# KiCad board SparkX_Soft_Power_Switch_panelized.kicad_pcb (continued)
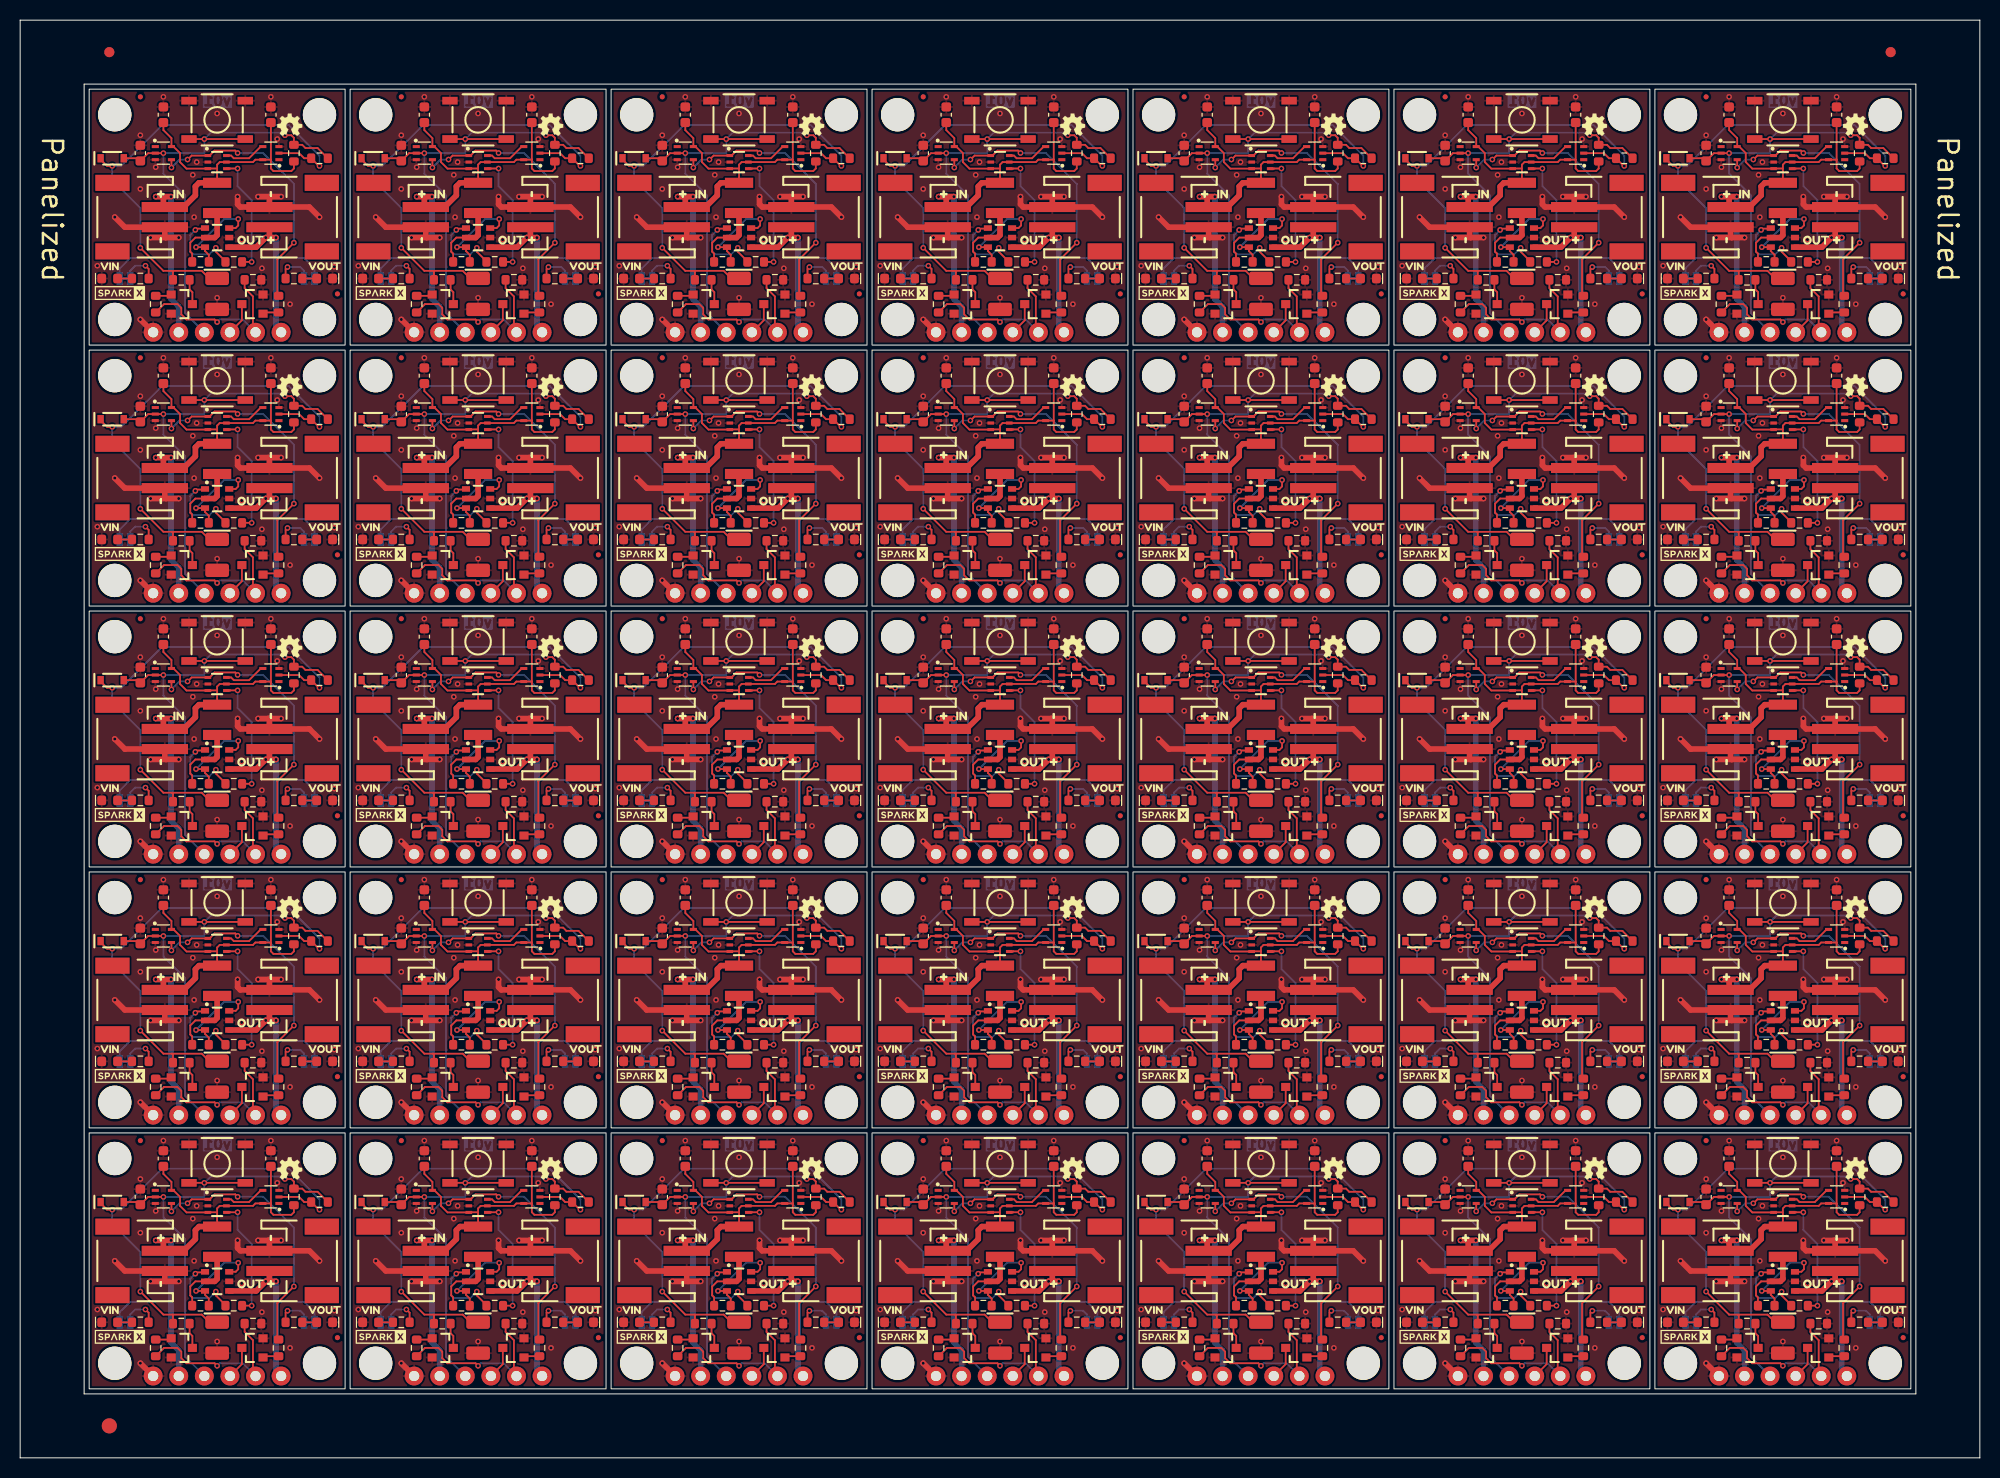
[diagram p0: board, top side]
## Routing (per net, layer and track width the routed paths; a pad name or vN(x,y) marks a point on that pad's centre or on a via; arc(x,y) is an arc through that point) (continued)
  Bottom w0.178: 51.29,119.09 54.09,119.09 55.11,118.06 JP2#22.2 ; JP2#23.2 81.01,92.16 79.99,93.19 77.19,93.19 ; JP2#32.2 184.61,66.26 183.59,67.29 180.79,67.29 ; JP2#19.2 132.81,118.06 131.79,119.09 128.99,119.09 ; JP2#31.2 184.61,40.36 183.59,41.39 180.79,41.39 ; 103.09,119.09 105.89,119.09 106.91,118.06 JP2#29.2 ; JP2.2 29.21,14.46 28.19,15.49 25.39,15.49 ; JP2#24.2 158.71,40.36 157.69,41.39 154.89,41.39 ; 77.19,67.29 79.99,67.29 81.01,66.26 JP2#15.2 ; 25.39,67.29 28.19,67.29 29.21,66.26 JP2#4.2 ; JP2#35.2 184.61,92.16 183.59,93.19 180.79,93.19 ; JP2#12.2 106.91,92.16 105.89,93.19 103.09,93.19 ; JP2#34.2 184.61,118.06 183.59,119.09 180.79,119.09 ; 180.79,15.49 183.59,15.49 184.61,14.46 JP2#30.2 ; 154.89,93.19 157.69,93.19 158.71,92.16 JP2#27.2 ; JP2#33.2 158.71,118.06 157.69,119.09 154.89,119.09 ; 128.99,15.49 131.79,15.49 132.81,14.46 JP2#8.2 ; 25.39,119.09 28.19,119.09 29.21,118.06 JP2#6.2 ; JP2#10.2 81.01,118.06 79.99,119.09 77.19,119.09 ; JP2#3.2 29.21,40.36 28.19,41.39 25.39,41.39 ; 154.89,67.29 157.69,67.29 158.71,66.26 JP2#26.2 ; 51.29,41.39 54.09,41.39 55.11,40.36 JP2#2.2 ; 51.29,67.29 54.09,67.29 55.11,66.26 JP2#13.2 ; 51.29,15.49 54.09,15.49 55.11,14.46 JP2#7.2 ; JP2#11.2 81.01,14.46 79.99,15.49 77.19,15.49 ; JP2#16.2 81.01,40.36 79.99,41.39 77.19,41.39 ; JP2#28.2 106.91,14.46 105.89,15.49 103.09,15.49 ; 103.09,41.39 105.89,41.39 106.91,40.36 JP2#18.2 ; JP2#21.2 55.11,92.16 54.09,93.19 51.29,93.19 ; JP2#25.2 132.81,40.36 131.79,41.39 128.99,41.39 ; 128.99,93.19 131.79,93.19 132.81,92.16 JP2#14.2 ; 103.09,67.29 105.89,67.29 106.91,66.26 JP2#9.2 ; 25.39,93.19 28.19,93.19 29.21,92.16 JP2#5.2 ; JP2#20.2 158.71,14.46 157.69,15.49 154.89,15.49 ; JP2#17.2 132.81,66.26 131.79,67.29 128.99,67.29
  Bottom w0.559: v1(76.18,69.32) v1(77.19,69.32) 77.19,60.43 J3#19.1 ; v1(179.78,121.12) v1(180.79,121.12) 180.79,112.23 J3#30.1 ; J3#2.1 25.39,60.43 v1(25.39,69.32) v1(24.38,69.32) ; J3#32.1 154.89,60.43 v1(154.89,69.32) v1(153.88,69.32) ; J3#26.1 180.79,60.43 v1(180.79,69.32) v1(179.78,69.32) ; J3#12.1 103.09,8.63 v1(103.09,17.52) v1(102.08,17.52) ; J3#34.1 154.89,112.23 v1(154.89,121.12) v1(153.88,121.12) ; J3#31.1 180.79,34.53 v1(180.79,43.42) v1(179.78,43.42) ; J3#22.1 77.19,86.33 v1(77.19,95.22) v1(76.18,95.22) ; v1(102.08,95.22) v1(103.09,95.22) 103.09,86.33 J3#13.1 ; J3#17.1 77.19,34.53 v1(77.19,43.42) v1(76.18,43.42) ; v1(24.38,121.12) v1(25.39,121.12) 25.39,112.23 J3#6.1 ; J3.1 25.39,34.53 v1(25.39,43.42) v1(24.38,43.42) ; v1(127.98,17.52) v1(128.99,17.52) 128.99,8.63 J3#14.1 ; J3#5.1 25.39,86.33 v1(25.39,95.22) v1(24.38,95.22) ; v1(50.28,43.42) v1(51.29,43.42) 51.29,34.53 J3#20.1 ; J3#35.1 25.39,8.63 v1(25.39,17.52) v1(24.38,17.52) ; J3#18.1 77.19,112.23 v1(77.19,121.12) v1(76.18,121.12) ; v1(102.08,121.12) v1(103.09,121.12) 103.09,112.23 J3#24.1 ; J3#4.1 154.89,8.63 v1(154.89,17.52) v1(153.88,17.52) ; v1(102.08,69.32) v1(103.09,69.32) 103.09,60.43 J3#8.1 ; v1(153.88,95.22) v1(154.89,95.22) 154.89,86.33 J3#28.1 ; J3#3.1 128.99,60.43 v1(128.99,69.32) v1(127.98,69.32) ; v1(153.88,43.42) v1(154.89,43.42) 154.89,34.53 J3#33.1 ; v1(127.98,95.22) v1(128.99,95.22) 128.99,86.33 J3#16.1 ; v1(50.28,95.22) v1(51.29,95.22) 51.29,86.33 J3#21.1 ; v1(127.98,43.42) v1(128.99,43.42) 128.99,34.53 J3#15.1 ; J3#23.1 103.09,34.53 v1(103.09,43.42) v1(102.08,43.42) ; v1(50.28,17.52) v1(51.29,17.52) 51.29,8.63 J3#10.1 ; J3#7.1 77.19,8.63 v1(77.19,17.52) v1(76.18,17.52) ; J3#11.1 51.29,60.43 v1(51.29,69.32) v1(50.28,69.32) ; J3#9.1 51.29,112.23 v1(51.29,121.12) v1(50.28,121.12) ; v1(179.78,95.22) v1(180.79,95.22) 180.79,86.33 J3#27.1 ; J3#29.1 180.79,8.63 v1(180.79,17.52) v1(179.78,17.52) ; v1(127.98,121.12) v1(128.99,121.12) 128.99,112.23 J3#25.1
Net-(C2-Pad1): length 1742.8
  Top w0.178: U3#4.2 183.08,51.8 183.59,51.29 R2#31.1 185.05,50.53 v1(185.11,50.53) ; 123.15,117 122.44,117 121.63,117.82 118.71,117.82 ; v1(81.51,102.33) 81.45,102.33 R2#21.1 79.99,103.09 79.48,103.6 U3#22.2 ; 123.15,91.11 122.44,91.11 121.63,91.92 118.71,91.92 ; v1(86.84,128.23) 86.32,128.23 85.69,128.87 D1#2.C ; v1(29.71,102.33) 29.65,102.33 28.88,103.09 28.19,103.09 27.68,103.6 U3#31.2 ; v1(159.21,102.33) 159.15,102.33 R2#28.1 157.69,103.09 157.18,103.6 U3#18.2 ; v1(9.14,24.63) 8.62,24.63 7.99,25.27 D1#35.C ; R5#34.1 144.67,65.95 144.6,66.02 ; 66.91,117.82 66.02,117.82 v1(63.73,120.1) 63.79,120.1 ; 66.91,117.82 69.83,117.82 70.64,117 71.35,117 ; 66.91,117.82 66.97,117.75 66.97,116.93 ; 66.91,14.22 66.97,14.15 66.97,13.33 ; 66.91,14.22 66.02,14.22 v1(63.73,16.5) 63.79,16.5 ; 66.91,14.22 69.83,14.22 70.64,13.41 71.35,13.41 ; v1(60.94,24.63) 60.42,24.63 59.79,25.27 D1#19.C ; v1(133.31,50.53) 133.25,50.53 R2#13.1 131.79,51.29 131.28,51.8 U3.2 ; 144.6,91.92 147.53,91.92 148.34,91.11 149.05,91.11 ; 144.6,91.92 143.72,91.92 v1(141.43,94.2) 141.49,94.2 ; 144.6,91.92 144.67,91.85 R5#30.1 ; R5#10.1 15.17,117.75 15.11,117.82 ; v1(9.14,50.53) 8.62,50.53 7.99,51.17 D1#5.C ; 41.07,13.33 41.07,14.15 41,14.22 ; 37.89,42.4 v1(37.83,42.4) 40.12,40.12 41,40.12 ; 123.15,39.31 122.44,39.31 121.63,40.12 118.71,40.12 ; v1(29.71,24.63) 29.65,24.63 28.88,25.39 28.19,25.39 27.68,25.9 U3#35.2 ; 123.15,13.41 122.44,13.41 121.63,14.22 118.71,14.22 ; v1(35.04,128.23) 34.52,128.23 33.89,128.87 D1#9.C ; U3#14.2 79.48,25.9 79.99,25.39 R2#17.1 81.45,24.63 v1(81.51,24.63) ; 15.11,66.02 14.22,66.02 v1(11.93,68.3) 11.99,68.3 ; 15.11,66.02 15.17,65.95 R5#9.1 ; 15.11,66.02 18.03,66.02 18.84,65.2 19.55,65.2 ; 144.6,14.22 144.67,14.15 R5#28.1 ; 144.6,14.22 143.72,14.22 v1(141.43,16.5) 141.49,16.5 ; 144.6,14.22 147.53,14.22 148.34,13.41 149.05,13.41 ; v1(112.74,102.33) 112.22,102.33 111.59,102.97 D1#4.C ; 89.69,16.5 v1(89.63,16.5) 91.92,14.22 92.81,14.22 ; U3#29.2 27.68,51.8 28.19,51.29 28.88,51.29 29.65,50.53 v1(29.71,50.53) ; 170.51,117.82 173.43,117.82 174.24,117 174.95,117 ; 170.51,117.82 169.62,117.82 v1(167.33,120.1) 167.39,120.1 ; 170.51,117.82 170.57,117.75 R5#32.1 ; 149.05,65.2 148.34,65.2 147.53,66.02 144.6,66.02 ; R5#18.1 92.87,40.05 92.81,40.12 ; D1#22.C 111.59,51.17 112.22,50.53 v1(112.74,50.53) ; 141.49,120.1 v1(141.43,120.1) 143.72,117.82 144.6,117.82 ; 15.11,91.92 15.17,91.85 R5.1 ; 15.11,91.92 18.03,91.92 18.84,91.11 19.55,91.11 ; 15.11,91.92 14.22,91.92 v1(11.93,94.2) 11.99,94.2 ; D1#10.C 7.99,77.07 8.62,76.43 v1(9.14,76.43) ; 92.81,117.82 95.73,117.82 96.54,117 97.25,117 ; 92.81,117.82 91.92,117.82 v1(89.63,120.1) 89.69,120.1 ; 92.81,117.82 92.87,117.75 R5#5.1 ; 118.71,40.12 117.82,40.12 v1(115.53,42.4) 115.59,42.4 ; 118.71,40.12 118.77,40.05 R5#27.1 ; v1(159.21,24.63) 159.15,24.63 R2#25.1 157.69,25.39 157.18,25.9 U3#10.2 ; v1(55.61,128.23) 55.55,128.23 54.78,128.99 54.09,128.99 53.58,129.5 U3#21.2 ; 92.81,14.22 95.73,14.22 96.54,13.41 97.25,13.41 ; 92.81,14.22 92.87,14.15 R5#3.1 ; D1#23.C 111.59,77.07 112.22,76.43 v1(112.74,76.43) ; 66.97,91.03 66.97,91.85 66.91,91.92 ; 37.89,68.3 v1(37.83,68.3) 40.12,66.02 41,66.02 ; U3#2.2 79.48,77.7 79.99,77.19 R2#3.1 81.45,76.43 v1(81.51,76.43) ; v1(159.21,76.43) 159.15,76.43 R2#27.1 157.69,77.19 157.18,77.7 U3#16.2 ; D1.C 33.89,102.97 34.52,102.33 v1(35.04,102.33) ; 66.91,91.92 66.02,91.92 v1(63.73,94.2) 63.79,94.2 ; 66.91,91.92 69.83,91.92 70.64,91.11 71.35,91.11 ; 97.25,39.31 96.54,39.31 95.73,40.12 92.81,40.12 ; 144.6,66.02 143.72,66.02 v1(141.43,68.3) 141.49,68.3 ; 41,66.02 41.07,65.95 41.07,65.13 ; 41,66.02 43.93,66.02 44.74,65.2 45.45,65.2 ; R5#31.1 170.57,14.15 170.51,14.22 ; D1#7.C 33.89,25.27 34.52,24.63 v1(35.04,24.63) ; U3#17.2 105.38,103.6 105.89,103.09 R2#11.1 107.35,102.33 v1(107.41,102.33) ; 118.71,117.82 118.77,117.75 R5#26.1 ; 118.71,117.82 117.82,117.82 v1(115.53,120.1) 115.59,120.1 ; 174.95,91.11 174.24,91.11 173.43,91.92 170.51,91.92 ; 41,40.12 43.93,40.12 44.74,39.31 45.45,39.31 ; 41,40.12 41.07,40.05 41.07,39.23 ; 37.89,94.2 v1(37.83,94.2) 40.12,91.92 41,91.92 ; 66.91,40.12 66.02,40.12 v1(63.73,42.4) 63.79,42.4 ; 66.91,40.12 66.97,40.05 66.97,39.23 ; 66.91,40.12 69.83,40.12 70.64,39.31 71.35,39.31 ; D1#28.C 137.49,102.97 138.12,102.33 v1(138.64,102.33) ; R5#19.1 92.87,65.95 92.81,66.02 ; v1(60.94,76.43) 60.42,76.43 59.79,77.07 D1#11.C ; 15.11,117.82 18.03,117.82 18.84,117 19.55,117 ; 15.11,117.82 14.22,117.82 v1(11.93,120.1) 11.99,120.1 ; 15.11,14.22 15.17,14.15 R5#35.1 ; 15.11,14.22 14.22,14.22 v1(11.93,16.5) 11.99,16.5 ; 15.11,14.22 18.03,14.22 18.84,13.41 19.55,13.41 ; 144.6,40.12 144.67,40.05 R5#23.1 ; 144.6,40.12 147.53,40.12 148.34,39.31 149.05,39.31 ; 144.6,40.12 143.72,40.12 v1(141.43,42.4) 141.49,42.4 ; 15.11,40.12 14.22,40.12 v1(11.93,42.4) 11.99,42.4 ; 15.11,40.12 15.17,40.05 R5#2.1 ; 15.11,40.12 18.03,40.12 18.84,39.31 19.55,39.31 ; 66.97,65.13 66.97,65.95 66.91,66.02 ; D1#24.C 111.59,128.87 112.22,128.23 v1(112.74,128.23) ; 167.39,68.3 v1(167.33,68.3) 169.62,66.02 170.51,66.02 ; U3#25.2 183.08,25.9 183.59,25.39 R2#30.1 185.05,24.63 v1(185.11,24.63) ; 123.15,65.2 122.44,65.2 121.63,66.02 118.71,66.02 ; D1#33.C 163.39,102.97 164.02,102.33 v1(164.54,102.33) ; D1#34.C 163.39,128.87 164.02,128.23 v1(164.54,128.23) ; 89.69,42.4 v1(89.63,42.4) 91.92,40.12 92.81,40.12 ; 170.51,91.92 169.62,91.92 v1(167.33,94.2) 167.39,94.2 ; 170.51,91.92 170.57,91.85 R5#22.1 ; v1(9.14,102.33) 8.62,102.33 7.99,102.97 D1#3.C ; 97.25,91.11 96.54,91.11 95.73,91.92 92.81,91.92 ; 92.81,91.92 92.87,91.85 R5#20.1 ; 92.81,91.92 91.92,91.92 v1(89.63,94.2) 89.69,94.2 ; 118.71,91.92 118.77,91.85 R5#33.1 ; 118.71,91.92 117.82,91.92 v1(115.53,94.2) 115.59,94.2 ; D1#27.C 137.49,77.07 138.12,76.43 v1(138.64,76.43) ; U3#30.2 27.68,77.7 28.19,77.19 28.88,77.19 29.65,76.43 v1(29.71,76.43) ; 170.51,66.02 170.57,65.95 R5#24.1 ; 170.51,66.02 173.43,66.02 174.24,65.2 174.95,65.2 ; 41,91.92 41.07,91.85 41.07,91.03 ; 41,91.92 43.93,91.92 44.74,91.11 45.45,91.11 ; 170.51,40.12 173.43,40.12 174.24,39.31 174.95,39.31 ; 170.51,40.12 170.57,40.05 R5#21.1 ; 170.51,40.12 169.62,40.12 v1(167.33,42.4) 167.39,42.4 ; v1(138.64,128.23) 138.12,128.23 137.49,128.87 D1#31.C ; 144.6,117.82 147.53,117.82 148.34,117 149.05,117 ; 144.6,117.82 144.67,117.75 R5#29.1 ; 92.81,66.02 95.73,66.02 96.54,65.2 97.25,65.2 ; 92.81,66.02 91.92,66.02 v1(89.63,68.3) 89.69,68.3 ; 66.91,66.02 69.83,66.02 70.64,65.2 71.35,65.2 ; 66.91,66.02 66.02,66.02 v1(63.73,68.3) 63.79,68.3 ; v1(9.14,128.23) 8.62,128.23 7.99,128.87 D1#6.C ; 118.71,66.02 117.82,66.02 v1(115.53,68.3) 115.59,68.3 ; 118.71,66.02 118.77,65.95 R5#25.1 ; 41,117.82 43.93,117.82 44.74,117 45.45,117 ; 41,117.82 41.07,117.75 41.07,116.93 ; 41,117.82 40.12,117.82 v1(37.83,120.1) 37.89,120.1 ; D1#14.C 59.79,128.87 60.42,128.23 v1(60.94,128.23) ; 37.89,16.5 v1(37.83,16.5) 40.12,14.22 41,14.22 ; U3#20.2 53.58,103.6 54.09,103.09 54.78,103.09 55.55,102.33 v1(55.61,102.33) ; U3#11.2 105.38,51.8 105.89,51.29 R2#22.1 107.35,50.53 v1(107.41,50.53) ; D1#32.C 163.39,51.17 164.02,50.53 v1(164.54,50.53) ; U3#3.2 79.48,51.8 79.99,51.29 R2#20.1 81.45,50.53 v1(81.51,50.53) ; v1(86.84,102.33) 86.32,102.33 85.69,102.97 D1#17.C ; U3#9.2 131.28,103.6 131.79,103.09 R2#24.1 133.25,102.33 v1(133.31,102.33) ; U3#8.2 131.28,77.7 131.79,77.19 R2#23.1 133.25,76.43 v1(133.31,76.43) ; 170.51,14.22 169.62,14.22 v1(167.33,16.5) 167.39,16.5 ; 170.51,14.22 173.43,14.22 174.24,13.41 174.95,13.41 ; v1(185.11,102.33) 185.05,102.33 R2#33.1 183.59,103.09 183.08,103.6 U3#26.2 ; 118.71,14.22 117.82,14.22 v1(115.53,16.5) 115.59,16.5 ; 118.71,14.22 118.77,14.15 R5#6.1 ; D1#12.C 59.79,51.17 60.42,50.53 v1(60.94,50.53) ; U3#33.2 53.58,25.9 54.09,25.39 54.78,25.39 55.55,24.63 v1(55.61,24.63) ; D1#29.C 163.39,77.07 164.02,76.43 v1(164.54,76.43) ; U3#6.2 105.38,129.5 105.89,128.99 R2#12.1 107.35,128.23 v1(107.41,128.23) ; v1(86.84,24.63) 86.32,24.63 85.69,25.27 D1#15.C ; v1(159.21,128.23) 159.15,128.23 R2#29.1 157.69,128.99 157.18,129.5 U3#23.2 ; U3#5.2 105.38,25.9 105.89,25.39 R2#9.1 107.35,24.63 v1(107.41,24.63) ; 41,14.22 43.93,14.22 44.74,13.41 45.45,13.41 ; U3#32.2 27.68,129.5 28.19,128.99 28.88,128.99 29.65,128.23 v1(29.71,128.23) ; v1(81.51,128.23) 81.45,128.23 R2#4.1 79.99,128.99 79.48,129.5 U3#7.2 ; U3#12.2 131.28,25.9 131.79,25.39 R2#5.1 133.25,24.63 v1(133.31,24.63) ; v1(86.84,50.53) 86.32,50.53 85.69,51.17 D1#20.C ; U3#27.2 183.08,129.5 183.59,128.99 R2#34.1 185.05,128.23 v1(185.11,128.23) ; v1(60.94,102.33) 60.42,102.33 59.79,102.97 D1#13.C ; D1#18.C 33.89,77.07 34.52,76.43 v1(35.04,76.43) ; v1(86.84,76.43) 86.32,76.43 85.69,77.07 D1#16.C ; D1#30.C 163.39,25.27 164.02,24.63 v1(164.54,24.63) ; v1(138.64,50.53) 138.12,50.53 137.49,51.17 D1#26.C ; v1(107.41,76.43) 107.35,76.43 R2#8.1 105.89,77.19 105.38,77.7 U3#15.2 ; v1(35.04,50.53) 34.52,50.53 33.89,51.17 D1#8.C ; v1(112.74,24.63) 112.22,24.63 111.59,25.27 D1#21.C ; v1(55.61,76.43) 55.55,76.43 54.78,77.19 54.09,77.19 53.58,77.7 U3#19.2 ; U3#28.2 183.08,77.7 183.59,77.19 R2#32.1 185.05,76.43 v1(185.11,76.43) ; U3#13.2 157.18,51.8 157.69,51.29 R2#26.1 159.15,50.53 v1(159.21,50.53) ; U3#34.2 53.58,51.8 54.09,51.29 54.78,51.29 55.55,50.53 v1(55.61,50.53) ; v1(138.64,24.63) 138.12,24.63 137.49,25.27 D1#25.C ; U3#24.2 131.28,129.5 131.79,128.99 R2#7.1 133.25,128.23 v1(133.31,128.23)
  Bottom w0.178: v1(89.63,120.1) 89.63,124.04 86.84,126.83 v1(86.84,128.23) 87.72,128.23 91.79,132.29 104.36,132.29 107.41,129.25 v1(107.41,128.23) ; v1(167.33,16.5) 167.33,20.44 164.54,23.23 v1(164.54,24.63) 165.42,24.63 169.49,28.69 182.06,28.69 185.11,25.65 v1(185.11,24.63) ; v1(133.31,50.53) 133.31,51.55 130.26,54.59 117.69,54.59 113.62,50.53 v1(112.74,50.53) 112.74,49.13 115.53,46.34 v1(115.53,42.4) ; v1(159.21,76.43) 159.21,77.45 156.16,80.49 143.59,80.49 139.53,76.43 v1(138.64,76.43) 138.64,75.03 141.43,72.24 v1(141.43,68.3) ; v1(133.31,128.23) 133.31,129.25 130.26,132.29 117.69,132.29 113.62,128.23 v1(112.74,128.23) 112.74,126.83 115.53,124.04 v1(115.53,120.1) ; v1(63.73,42.4) 63.73,46.34 60.94,49.13 v1(60.94,50.53) 61.82,50.53 65.89,54.59 78.46,54.59 81.51,51.55 v1(81.51,50.53) ; v1(133.31,76.43) 133.31,77.45 130.26,80.49 117.69,80.49 113.62,76.43 v1(112.74,76.43) 112.74,75.03 115.53,72.24 v1(115.53,68.3) ; v1(55.61,102.33) 55.61,103.35 52.56,106.39 39.99,106.39 35.93,102.33 v1(35.04,102.33) 35.04,100.93 37.83,98.14 v1(37.83,94.2) ; v1(81.51,128.23) 81.51,129.25 78.46,132.29 65.89,132.29 61.82,128.23 v1(60.94,128.23) 60.94,126.83 63.73,124.04 v1(63.73,120.1) ; v1(81.51,102.33) 81.51,103.35 78.46,106.39 65.89,106.39 61.82,102.33 v1(60.94,102.33) 60.94,100.93 63.73,98.14 v1(63.73,94.2) ; v1(37.83,42.4) 37.83,46.34 35.04,49.13 v1(35.04,50.53) 35.93,50.53 39.99,54.59 52.56,54.59 55.61,51.55 v1(55.61,50.53) ; v1(29.71,128.23) 29.71,129.25 26.66,132.29 14.09,132.29 10.03,128.23 v1(9.14,128.23) 9.14,126.83 11.93,124.04 v1(11.93,120.1) ; v1(81.51,24.63) 81.51,25.65 78.46,28.69 65.89,28.69 61.82,24.63 v1(60.94,24.63) 60.94,23.23 63.73,20.44 v1(63.73,16.5) ; v1(185.11,128.23) 185.11,129.25 182.06,132.29 169.49,132.29 165.42,128.23 v1(164.54,128.23) 164.54,126.83 167.33,124.04 v1(167.33,120.1) ; v1(167.33,68.3) 167.33,72.24 164.54,75.03 v1(164.54,76.43) 165.42,76.43 169.49,80.49 182.06,80.49 185.11,77.45 v1(185.11,76.43) ; v1(185.11,102.33) 185.11,103.35 182.06,106.39 169.49,106.39 165.42,102.33 v1(164.54,102.33) 164.54,100.93 167.33,98.14 v1(167.33,94.2) ; v1(115.53,16.5) 115.53,20.44 112.74,23.23 v1(112.74,24.63) 113.62,24.63 117.69,28.69 130.26,28.69 133.31,25.65 v1(133.31,24.63) ; v1(29.71,76.43) 29.71,77.45 26.66,80.49 14.09,80.49 10.03,76.43 v1(9.14,76.43) 9.14,75.03 11.93,72.24 v1(11.93,68.3) ; v1(89.63,42.4) 89.63,46.34 86.84,49.13 v1(86.84,50.53) 87.72,50.53 91.79,54.59 104.36,54.59 107.41,51.55 v1(107.41,50.53) ; v1(55.61,24.63) 55.61,25.65 52.56,28.69 39.99,28.69 35.93,24.63 v1(35.04,24.63) 35.04,23.23 37.83,20.44 v1(37.83,16.5) ; v1(159.21,50.53) 159.21,51.55 156.16,54.59 143.59,54.59 139.53,50.53 v1(138.64,50.53) 138.64,49.13 141.43,46.34 v1(141.43,42.4) ; v1(81.51,76.43) 81.51,77.45 78.46,80.49 65.89,80.49 61.82,76.43 v1(60.94,76.43) 60.94,75.03 63.73,72.24 v1(63.73,68.3) ; v1(185.11,50.53) 185.11,51.55 182.06,54.59 169.49,54.59 165.42,50.53 v1(164.54,50.53) 164.54,49.13 167.33,46.34 v1(167.33,42.4) ; v1(89.63,94.2) 89.63,98.14 86.84,100.93 v1(86.84,102.33) 87.72,102.33 91.79,106.39 104.36,106.39 107.41,103.35 v1(107.41,102.33) ; v1(133.31,102.33) 133.31,103.35 130.26,106.39 117.69,106.39 113.62,102.33 v1(112.74,102.33) 112.74,100.93 115.53,98.14 v1(115.53,94.2) ; v1(159.21,102.33) 159.21,103.35 156.16,106.39 143.59,106.39 139.53,102.33 v1(138.64,102.33) 138.64,100.93 141.43,98.14 v1(141.43,94.2) ; v1(11.93,16.5) 11.93,20.44 9.14,23.23 v1(9.14,24.63) 10.03,24.63 14.09,28.69 26.66,28.69 29.71,25.65 v1(29.71,24.63) ; v1(141.43,120.1) 141.43,124.04 138.64,126.83 v1(138.64,128.23) 139.53,128.23 143.59,132.29 156.16,132.29 159.21,129.25 v1(159.21,128.23) ; v1(29.71,50.53) 29.71,51.55 26.66,54.59 14.09,54.59 10.03,50.53 v1(9.14,50.53) 9.14,49.13 11.93,46.34 v1(11.93,42.4) ; v1(37.83,120.1) 37.83,124.04 35.04,126.83 v1(35.04,128.23) 35.93,128.23 39.99,132.29 52.56,132.29 55.61,129.25 v1(55.61,128.23) ; v1(141.43,16.5) 141.43,20.44 138.64,23.23 v1(138.64,24.63) 139.53,24.63 143.59,28.69 156.16,28.69 159.21,25.65 v1(159.21,24.63) ; v1(107.41,24.63) 107.41,25.65 104.36,28.69 91.79,28.69 87.72,24.63 v1(86.84,24.63) 86.84,23.23 89.63,20.44 v1(89.63,16.5) ; v1(107.41,76.43) 107.41,77.45 104.36,80.49 91.79,80.49 87.72,76.43 v1(86.84,76.43) 86.84,75.03 89.63,72.24 v1(89.63,68.3) ; v1(29.71,102.33) 29.71,103.35 26.66,106.39 14.09,106.39 10.03,102.33 v1(9.14,102.33) 9.14,100.93 11.93,98.14 v1(11.93,94.2) ; v1(37.83,68.3) 37.83,72.24 35.04,75.03 v1(35.04,76.43) 35.93,76.43 39.99,80.49 52.56,80.49 55.61,77.45 v1(55.61,76.43)
Net-(D2-A): length 50.2
  Top w0.178: D2#29.2 R3#18.2 ; D2#19.2 140.6,39.35 ; D2#22.2 37,13.45 ; D2#12.2 R3#9.2 ; D2#4.2 R3#30.2 ; D2#10.2 140.6,117.05 ; D2#31.2 R3#27.2 ; D2#27.2 37,39.35 ; D2#24.2 R3.2 ; D2#32.2 R3#23.2 ; D2#28.2 37,91.15 ; D2#8.2 140.6,13.45 ; D2#11.2 R3#14.2 ; D2#35.2 R3#35.2 ; D2#5.2 R3#13.2 ; D2#26.2 R3#5.2 ; D2.2 R3#20.2 ; D2#18.2 R3#11.2 ; D2#30.2 R3#21.2 ; D2#33.2 37,117.05 ; D2#25.2 R3#4.2 ; D2#3.2 R3#15.2 ; D2#34.2 R3#22.2 ; D2#7.2 R3#19.2 ; D2#15.2 R3#32.2 ; D2#6.2 R3#12.2 ; D2#23.2 37,65.25 ; D2#20.2 R3#31.2 ; D2#2.2 R3#24.2 ; D2#21.2 R3#3.2 ; D2#13.2 R3#33.2 ; D2#9.2 140.6,91.15 ; D2#17.2 140.6,65.25 ; D2#14.2 R3#25.2 ; D2#16.2 R3#34.2
Net-(D3-A): length 50.2
  Top w0.178: D3#7.2 R4#26.2 ; D3#33.2 R4#31.2 ; D3#21.2 R4#7.2 ; D3#17.2 R4#12.2 ; D3#24.2 R4#4.2 ; D3#5.2 28,117.05 ; D3#20.2 R4#27.2 ; D3#13.2 53.9,117.05 ; D3#27.2 53.9,39.35 ; D3#8.2 R4#22.2 ; D3#35.2 28,13.45 ; D3#10.2 R4#33.2 ; D3#15.2 R4#11.2 ; D3#32.2 R4#29.2 ; D3.2 28,91.15 ; D3#11.2 53.9,65.25 ; D3#34.2 R4#34.2 ; D3#6.2 R4#16.2 ; D3#9.2 R4#18.2 ; D3#25.2 R4#3.2 ; D3#29.2 R4#9.2 ; D3#16.2 R4#25.2 ; D3#28.2 R4#2.2 ; D3#18.2 R4#24.2 ; D3#30.2 R4#32.2 ; D3#22.2 R4#8.2 ; D3#12.2 R4#17.2 ; D3#19.2 R4#15.2 ; D3#2.2 53.9,13.45 ; D3#26.2 53.9,91.15 ; D3#4.2 28,65.25 ; D3#31.2 R4#30.2 ; D3#14.2 R4#23.2 ; D3#23.2 R4#28.2 ; D3#3.2 28,39.35
Net-(JP1-A): length 136.2
  Top w0.178: R3.1 12.75,40.31 v1(12.44,40.62) ; v1(90.14,14.72) 90.46,14.41 90.46,13.45 ; v1(12.44,66.52) 12.75,66.21 R3#3.1 ; v1(64.24,14.72) 64.56,14.41 64.56,13.45 ; R3#29.1 142.25,118.01 v1(141.94,118.32) ; R3#24.1 116.35,92.11 v1(116.04,92.42) ; v1(141.94,92.42) 142.25,92.11 R3#17.1 ; 90.46,117.05 90.46,118.01 v1(90.14,118.32) ; v1(12.44,118.32) 12.75,118.01 R3#5.1 ; v1(64.24,92.42) 64.56,92.11 64.56,91.15 ; 90.46,91.15 90.46,92.11 v1(90.14,92.42) ; R3#26.1 142.25,40.31 v1(141.94,40.62) ; v1(167.84,92.42) 168.16,92.11 R3#34.1 ; 64.56,39.35 64.56,40.31 v1(64.24,40.62) ; v1(38.34,118.32) 38.66,118.01 R3#10.1 ; 90.46,39.35 90.46,40.31 v1(90.14,40.62) ; R3#9.1 168.16,14.41 v1(167.84,14.72) ; v1(64.24,118.32) 64.56,118.01 64.56,117.05 ; v1(167.84,66.52) 168.16,66.21 R3#32.1 ; R3#6.1 38.66,14.41 v1(38.34,14.72) ; v1(38.34,40.62) 38.66,40.31 R3#2.1 ; R3#28.1 142.25,66.21 v1(141.94,66.52) ; v1(116.04,66.52) 116.35,66.21 R3#14.1 ; v1(38.34,66.52) 38.66,66.21 R3#7.1 ; R3#15.1 116.35,40.31 v1(116.04,40.62) ; R3#25.1 116.35,118.01 v1(116.04,118.32) ; R3#8.1 38.66,92.11 v1(38.34,92.42) ; R3#33.1 168.16,40.31 v1(167.84,40.62) ; v1(141.94,14.72) 142.25,14.41 R3#16.1 ; v1(12.44,14.72) 12.75,14.41 R3#35.1 ; R3#20.1 116.35,14.41 v1(116.04,14.72) ; R3#4.1 12.75,92.11 v1(12.44,92.42) ; v1(64.24,66.52) 64.56,66.21 64.56,65.25 ; v1(90.14,66.52) 90.46,66.21 90.46,65.25 ; v1(167.84,118.32) 168.16,118.01 R3#31.1
  Bottom w0.178: v1(90.14,40.62) 89.12,40.62 88.63,40.13 JP1#15.1 ; v1(141.94,40.62) 140.92,40.62 140.43,40.13 JP1#26.1 ; JP1#6.1 10.93,40.13 11.42,40.62 v1(12.44,40.62) ; JP1#24.1 114.53,117.83 115.02,118.32 v1(116.04,118.32) ; v1(12.44,92.42) 11.42,92.42 10.93,91.93 JP1#8.1 ; v1(64.24,118.32) 63.22,118.32 62.73,117.83 JP1#14.1 ; JP1#9.1 36.83,40.13 37.32,40.62 v1(38.34,40.62) ; JP1#33.1 140.43,117.83 140.92,118.32 v1(141.94,118.32) ; JP1#12.1 36.83,91.93 37.32,92.42 v1(38.34,92.42) ; v1(141.94,14.72) 140.92,14.72 140.43,14.23 JP1#25.1 ; v1(90.14,92.42) 89.12,92.42 88.63,91.93 JP1#5.1 ; JP1#23.1 114.53,66.03 115.02,66.52 v1(116.04,66.52) ; v1(167.84,118.32) 166.82,118.32 166.33,117.83 JP1#30.1 ; JP1#35.1 166.33,66.03 166.82,66.52 v1(167.84,66.52) ; JP1#21.1 114.53,14.23 115.02,14.72 v1(116.04,14.72) ; JP1#31.1 166.33,14.23 166.82,14.72 v1(167.84,14.72) ; v1(141.94,66.52) 140.92,66.52 140.43,66.03 JP1#27.1 ; v1(64.24,40.62) 63.22,40.62 62.73,40.13 JP1#10.1 ; JP1#17.1 36.83,117.83 37.32,118.32 v1(38.34,118.32) ; JP1#32.1 166.33,91.93 166.82,92.42 v1(167.84,92.42) ; v1(38.34,66.52) 37.32,66.52 36.83,66.03 JP1#11.1 ; v1(64.24,92.42) 63.22,92.42 62.73,91.93 JP1#13.1 ; JP1#28.1 114.53,91.93 115.02,92.42 v1(116.04,92.42) ; JP1#2.1 36.83,14.23 37.32,14.72 v1(38.34,14.72) ; JP1#20.1 114.53,40.13 115.02,40.62 v1(116.04,40.62) ; JP1#7.1 62.73,14.23 63.22,14.72 v1(64.24,14.72) ; v1(90.14,66.52) 89.12,66.52 88.63,66.03 JP1#16.1 ; v1(90.14,118.32) 89.12,118.32 88.63,117.83 JP1#22.1 ; JP1#34.1 166.33,40.13 166.82,40.62 v1(167.84,40.62) ; v1(12.44,66.52) 11.42,66.52 10.93,66.03 JP1#3.1 ; JP1#19.1 62.73,66.03 63.22,66.52 v1(64.24,66.52) ; JP1.1 10.93,14.23 11.42,14.72 v1(12.44,14.72) ; JP1#29.1 140.43,91.93 140.92,92.42 v1(141.94,92.42) ; v1(12.44,118.32) 11.42,118.32 10.93,117.83 JP1#4.1 ; v1(90.14,14.72) 89.12,14.72 88.63,14.23 JP1#18.1
